# Altium PCB BTF16_2.PcbDoc (part 3 of 4) (continued)
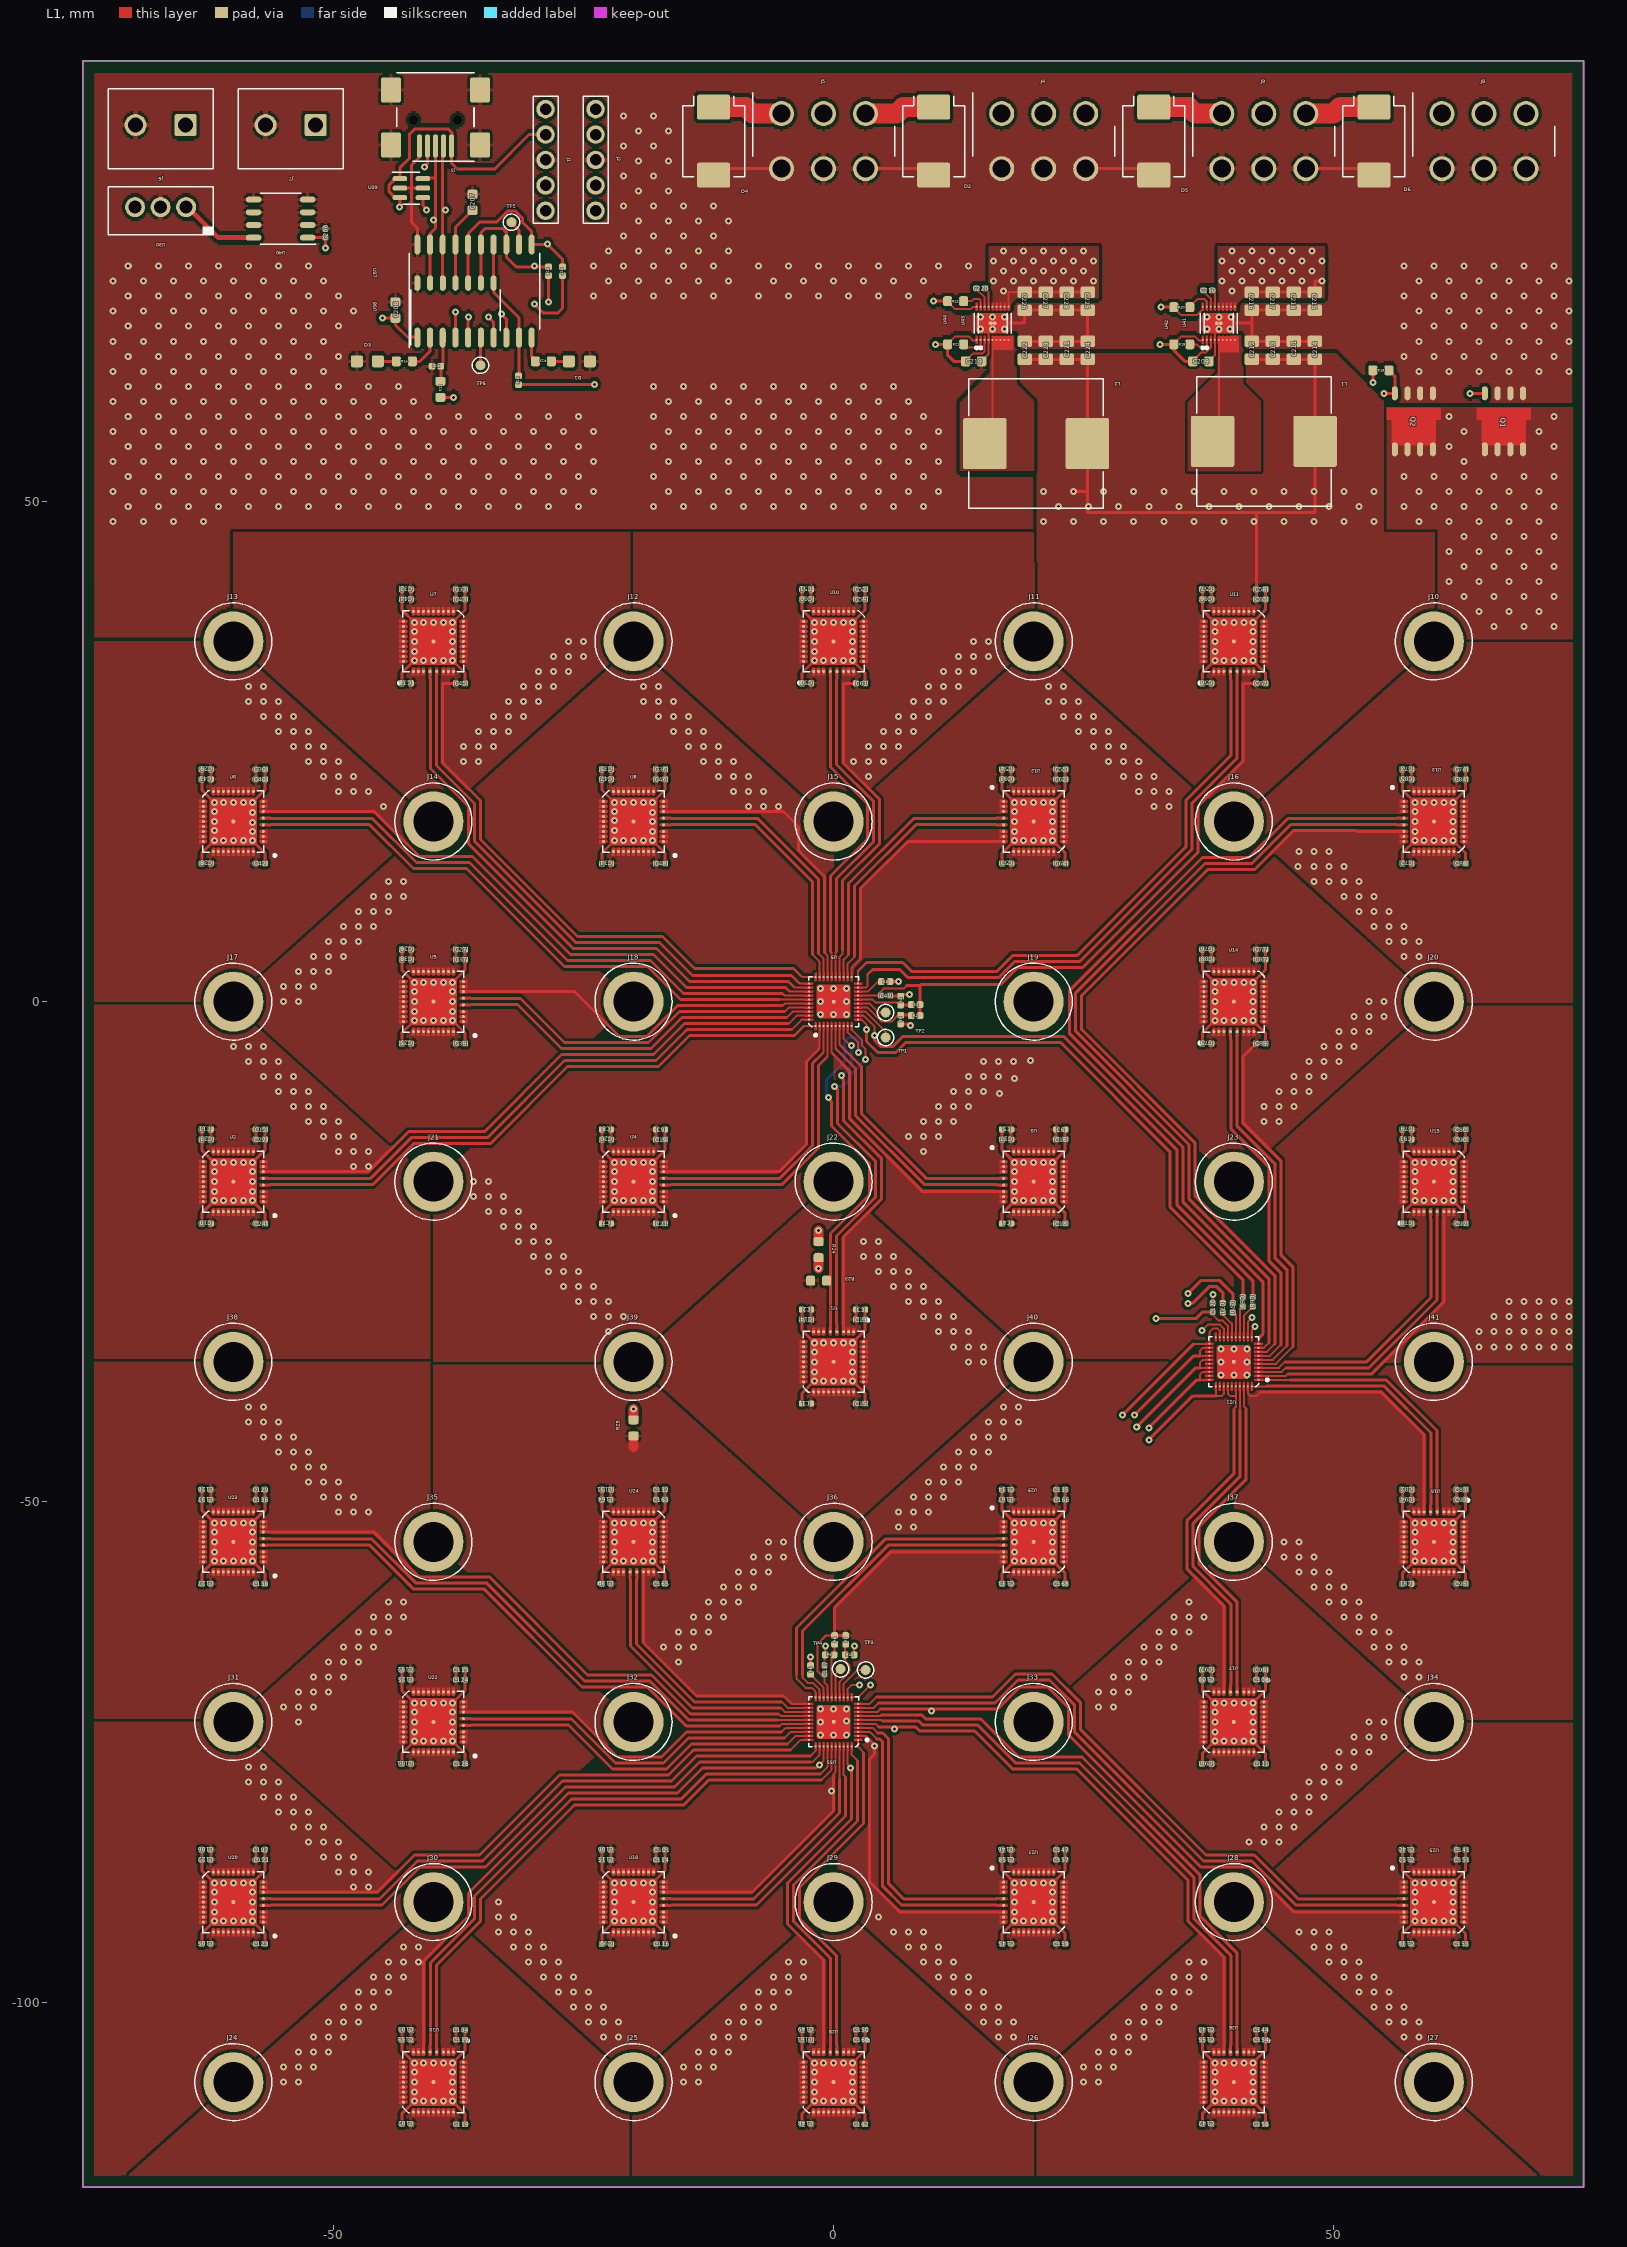
[diagram p0: L1 view]
## Nets (pads, with @x,y where several pads share a name; then routed paths per layer and width w, separated by ;. In a path a pad name is that pad's centre, name@x,y a point inside that pad or via, vN(x,y) a via of type N, cw(c..) or ccw(c..) an arc to the next point about the centre after c; other vN are vias at no path point) (continued)
  L1 w0.2: C187.2@-0.9,-66.35 -0.9,-65.36 R9.2@-0.84,-65.3 v1(-0.8,-64.4) ; U33.41@0,-72 v1(0,-70.7) ; R10.2@2.04,-65.3 2.04,-64.4 v1(2.1,-64.4) ; U21.34@39.4,-38.45 39.4,-39.2 39.6,-39.4 40.2,-39.4 ; 40,-40.7 40.2,-40.5 40.2,-39.4 ; U21.36@40.2,-38.45 40.2,-39.4 ; U25.36@60,-90 v1(60,-88.1)
  L1 w0.3: R8.2@-2.3,-66.36 v1(-2.3,-65.5) ; U17.24@39,-69 39,-60.4 35.3,-56.7 35.3,-51.9 40,-47.2 40,-40.7 ; C139.2@56.849,-94.184 56.849,-93.151 v1(58.1,-91.9) U25.36@60,-90 ; C140.2@56.849,-84.784 56.849,-86.849 v1(58.1,-88.1) U25.36@60,-90 ; C153.2@63.149,-94.184 63.149,-93.149 v1(61.9,-91.9) U25.36@60,-90 ; C141.2@63.149,-84.784 C151.2@63.149,-85.784 63.149,-86.851 v1(61.9,-88.1) U25.36@60,-90
  L1 w0.305: C109.1@37.749,-67.784 C97.1@37.749,-66.784 ; C108.1@42.249,-67.784 C98.1@42.249,-66.784
  L2 w0.3: v1(-2.3,-65.5) -1.85,-65.05 -1.45,-65.05 v1(-0.8,-64.4) v1(2.1,-64.4)
  other v1: 59,-91.9 60,-91.9 61,-91.9 58.1,-91 61.9,-91 58.1,-90 61.9,-90 58.1,-89 61.9,-89 59,-88.1 61,-88.1 41.5,-84 43,-84 44.5,-84 43,-82.5 44.5,-82.5 46,-82.5 44.5,-81 46,-81 47.5,-81 46,-79.5 47.5,-79.5 49,-79.5 47.5,-78 49,-78 50.5,-78 49,-76.5 50.5,-76.5 52,-76.5 50.5,-75 52,-75 53.5,-75 52,-73.5 53.5,-73.5 55,-73.5 -1.3,-73.3 0,-73.3 1.3,-73.3 -1.3,-72 53.5,-72 55,-72 1.3,-71.9 -1.3,-70.7 1.3,-70.7 26.5,-70.5 28,-70.5 26.5,-69 28,-69 29.5,-69 28,-67.5 29.5,-67.5 31,-67.5 29.5,-66 31,-66 32.5,-66 31,-64.5 32.5,-64.5 34,-64.5 32.5,-63 34,-63 35.5,-63 34,-61.5 35.5,-61.5 37,-61.5 35.5,-60
PWR6: C139.1 C140.1 C141.1 C142.2 C143.2 C144.2 C151.1 C152.1 C153.1 C154.2 C155.2 C156.2 U21.31 U21.33 U25.1 U25.2 U25.3 U25.4 U25.5 U25.6 U25.7 U25.8 U25.9 U25.10 U25.11 U25.12 U25.13 U25.14 U25.15 U25.16 U25.17 U25.18 U25.19 U25.20 U25.21 U25.24 U25.25 U25.26 U25.27 U25.28 U25.29 U25.30 U25.31 U25.32 U25.33 U25.34 U25.35 U26.36 U33.8 | length 147.2
  L1 w0.2: U33.8@2.45,-71 4.4,-71 4.7,-70.7 ; U21.31@38.2,-38.45 38.2,-39.4 38.8,-39.4 39,-39.2 U21.33@39,-38.45 ; U26.36@40,-108 v1(40,-106.1)
  L1 w0.3: 4.7,-70.7 v1@9.8,-70.7 ; v1(9.8,-70.9) v1@9.8,-70.7 ; v1(31.5,-43.8) 35.9,-39.4 38.2,-39.4 ; C142.2@36.849,-112.184 36.849,-111.151 v1(38.1,-109.9) U26.36@40,-108 ; C143.2@36.849,-102.784 C155.2@36.849,-103.784 36.849,-104.849 U26.36@40,-108 ; C156.2@43.149,-112.184 43.149,-111.149 U26.36@40,-108 ; C144.2@43.149,-102.784 43.149,-104.851 v1(41.9,-106.1) U26.36@40,-108 ; U25.24@57,-91 46,-91 41.5,-86.5 36.7,-86.5 23.5,-73.3 23.5,-70.6 21.4,-68.5 18.6,-68.5 16.4,-70.7 v1@9.8,-70.7
  L1 w0.305: C152.1@57.749,-85.784 C140.1@57.749,-84.784 ; C151.1@62.249,-85.784 C141.1@62.249,-84.784
  L2 w0.3: v1(9.8,-70.9) 8.5,-69.6 8.5,-59.4 24,-43.9 31.4,-43.9 v1(31.5,-43.8)
  other v1: 39,-109.9 40,-109.9 41,-109.9 41.9,-109.9 38.1,-109 41.9,-109 38.1,-108 41.9,-108 38.1,-107 41.9,-107 38.1,-106.1 39,-106.1 41,-106.1 57,-103.5 58.5,-103.5 55.5,-102 57,-102 58.5,-102 54,-100.5 55.5,-100.5 57,-100.5 52.5,-99 54,-99 55.5,-99 51,-97.5 52.5,-97.5 54,-97.5 49.5,-96 51,-96 52.5,-96 48,-94.5 49.5,-94.5 51,-94.5 46.5,-93 48,-93 49.5,-93
PWR7: C142.1 C143.1 C144.1 C145.2 C146.2 C147.2 C154.1 C155.1 C156.1 C157.2 C158.2 C159.2 U21.28 U21.30 U26.1 U26.2 U26.3 U26.4 U26.5 U26.6 U26.7 U26.8 U26.9 U26.10 U26.11 U26.12 U26.13 U26.14 U26.15 U26.16 U26.17 U26.18 U26.19 U26.20 U26.21 U26.24 U26.25 U26.26 U26.27 U26.28 U26.29 U26.30 U26.31 U26.32 U26.33 U26.34 U26.35 U27.36 U33.5 | length 140.6
  L1 w0.2: U33.5@2.45,-72.2 4.2,-72.2 4.5,-72.5 ; U27.36@20,-90 v1(20,-88.1) ; U21.30@37.55,-37.8 36.6,-37.8 36.6,-37.3 36.9,-37 U21.28@37.55,-37
  L1 w0.3: 4.5,-72.5 v1@6.1,-72.5 ; v1(6.1,-72.7) v1@6.1,-72.5 ; C145.2@16.849,-94.184 16.849,-93.151 U27.36@20,-90 ; C146.2@16.849,-84.784 C158.2@16.849,-85.784 16.849,-86.849 v1(18.1,-88.1) U27.36@20,-90 ; C159.2@23.149,-94.184 23.149,-93.149 v1(21.9,-91.9) U27.36@20,-90 ; C147.2@23.149,-84.784 C157.2@23.149,-85.784 23.149,-86.851 U27.36@20,-90 ; v1(31.5,-42.6) 36.3,-37.8 36.6,-37.8 ; U26.24@39,-105 39,-95.5 35.4,-91.9 35.4,-87.8 24.3,-76.7 17.9,-76.7 14.1,-72.9 8.6,-72.9 8.2,-72.5 v1@6.1,-72.5
  L1 w0.305: C155.1@37.749,-103.784 C143.1@37.749,-102.784 ; C154.1@42.249,-103.784 C144.1@42.249,-102.784
  L2 w0.3: v1(6.1,-72.7) 7.9,-70.9 7.9,-59.1 23.7,-43.3 30.8,-43.3 v1(31.5,-42.6)
  other v1: 25,-108 26.5,-108 25,-106.5 26.5,-106.5 28,-106.5 26.5,-105 28,-105 29.5,-105 28,-103.5 29.5,-103.5 31,-103.5 29.5,-102 31,-102 32.5,-102 31,-100.5 32.5,-100.5 34,-100.5 32.5,-99 34,-99 35.5,-99 34,-97.5 35.5,-97.5 37,-97.5 35.5,-96 37,-96 18.1,-91.9 19,-91.9 20,-91.9 21,-91.9 18.1,-91 21.9,-91 18.1,-90 21.9,-90 18.1,-89 21.9,-89 19,-88.1 21,-88.1 21.9,-88.1
PWR8: C145.1 C146.1 C147.1 C148.2 C149.2 C150.2 C157.1 C158.1 C159.1 C160.2 C161.2 C162.2 U21.25 U21.27 U27.1 U27.2 U27.3 U27.4 U27.5 U27.6 U27.7 U27.8 U27.9 U27.10 U27.11 U27.12 U27.13 U27.14 U27.15 U27.16 U27.17 U27.18 U27.19 U27.20 U27.21 U27.24 U27.25 U27.26 U27.27 U27.28 U27.29 U27.30 U27.31 U27.32 U27.33 U27.34 U27.35 U28.36 U33.2 | length 116.5
  L1 w0.2: U28.36@0,-108 v1(0,-106.1) ; U33.2@2.45,-73.4 3.2,-73.4 3.65,-73.85 ; U21.27@37.55,-36.6 36.6,-36.6 36.6,-36.1 36.9,-35.8 U21.25@37.55,-35.8
  L1 w0.3: C148.2@-3.151,-112.184 -3.151,-111.151 v1(-1.9,-109.9) U28.36@0,-108 ; C149.2@-3.151,-102.784 -3.151,-104.849 v1(-1.9,-106.1) U28.36@0,-108 ; C162.2@3.149,-112.184 3.149,-111.149 v1(1.9,-109.9) U28.36@0,-108 ; C150.2@3.149,-102.784 C160.2@3.149,-103.784 3.149,-104.851 v1(1.9,-106.1) U28.36@0,-108 ; 3.65,-73.85 4.1,-74.3 v1(4.1,-74.4) 4.1,-75.2 3.6,-75.7 3.6,-88 6.6,-91 U27.24@17,-91 ; v1(30.3,-42.5) 36.2,-36.6 36.6,-36.6
  L1 w0.305: C158.1@17.749,-85.784 C146.1@17.749,-84.784 ; C157.1@22.249,-85.784 C147.1@22.249,-84.784
  L2 w0.3: v1(4.1,-74.4) 4.15,-74.4 4.15,-73.65 7.3,-70.5 7.3,-58.8 23.4,-42.7 30.1,-42.7 v1(30.3,-42.5)
  other v1: -1,-109.9 0,-109.9 1,-109.9 -1.9,-109 1.9,-109 -1.9,-108 1.9,-108 -1.9,-107 1.9,-107 -1,-106.1 1,-106.1 16.5,-103.5 18,-103.5 15,-102 16.5,-102 18,-102 13.5,-100.5 15,-100.5 16.5,-100.5 12,-99 13.5,-99 15,-99 10.5,-97.5 12,-97.5 13.5,-97.5 9,-96 10.5,-96 12,-96 7.5,-94.5 9,-94.5 10.5,-94.5 6,-93 7.5,-93 9,-93 4.5,-91.5
PWR9: C99.2 C100.2 C101.2 C114.2 C115.2 C116.2 C148.1 C149.1 C150.1 C160.1 C161.1 C162.1 U18.36 U21.22 U21.24 U28.1 U28.2 U28.3 U28.4 U28.5 U28.6 U28.7 U28.8 U28.9 U28.10 U28.11 U28.12 U28.13 U28.14 U28.15 U28.16 U28.17 U28.18 U28.19 U28.20 U28.21 U28.24 U28.25 U28.26 U28.27 U28.28 U28.29 U28.30 U28.31 U28.32 U28.33 U28.34 U28.35 U33.39 | length 124.9
  L1 w0.2: U18.36@-20,-90 v1(-20,-88.1) ; U33.39@1.4,-74.45 1.4,-76.3 v1(1.7,-76.6) ; U21.24@37.55,-35.4 36.6,-35.4 36.6,-34.9 36.9,-34.6 U21.22@37.55,-34.6
  L1 w0.3: C99.2@-23.151,-94.184 -23.151,-93.151 v1(-21.9,-91.9) U18.36@-20,-90 ; C100.2@-23.151,-84.784 -23.151,-86.849 v1(-21.9,-88.1) U18.36@-20,-90 ; C116.2@-16.851,-94.184 -16.851,-93.149 v1(-18.1,-91.9) U18.36@-20,-90 ; C101.2@-16.851,-84.784 C114.2@-16.851,-85.784 -16.851,-86.851 v1(-18.1,-88.1) U18.36@-20,-90 ; U28.24@-1,-105 -1,-95.8 -4.6,-92.2 -4.6,-88.1 1.8,-81.7 1.8,-76.7 v1(1.7,-76.6) ; v1(30.1,-41.3) 36,-35.4 36.6,-35.4
  L1 w0.305: C161.1@-2.251,-103.784 C149.1@-2.251,-102.784 ; C160.1@2.249,-103.784 C150.1@2.249,-102.784
  L2 w0.3: v1(1.7,-76.6) 3.3,-75 3.3,-73.4 6.7,-70 6.7,-58.5 23.1,-42.1 29.3,-42.1 v1(30.1,-41.3)
  other v1: -15,-108 -13.5,-108 -15,-106.5 -13.5,-106.5 -12,-106.5 -13.5,-105 -12,-105 -10.5,-105 -12,-103.5 -10.5,-103.5 -9,-103.5 -10.5,-102 -9,-102 -7.5,-102 -9,-100.5 -7.5,-100.5 -6,-100.5 -7.5,-99 -6,-99 -4.5,-99 -6,-97.5 -4.5,-97.5 -3,-97.5 -4.5,-96 -3,-96 -21,-91.9 -20,-91.9 -19,-91.9 -21.9,-91 -18.1,-91 -21.9,-90 -18.1,-90 -21.9,-89 -18.1,-89 -21,-88.1 -19,-88.1
PWR10: C99.1 C100.1 C101.1 C102.2 C103.2 C104.2 C114.1 C115.1 C116.1 C117.2 C118.2 C119.2 U18.1 U18.2 U18.3 U18.4 U18.5 U18.6 U18.7 U18.8 U18.9 U18.10 U18.11 U18.12 U18.13 U18.14 U18.15 U18.16 U18.17 U18.18 U18.19 U18.20 U18.21 U18.24 U18.25 U18.26 U18.27 U18.28 U18.29 U18.30 U18.31 U18.32 U18.33 U18.34 U18.35 U19.36 U21.19 U21.21 U33.36 | length 122.8
  L1 w0.2: U19.36@-40,-108 v1(-40,-106.1) ; 0,-77.5 0,-77.2 0.2,-77 U33.36@0.2,-74.45 ; 36,-34.2 U21.21@37.55,-34.2 37.55,-33.05 37.9,-32.7 38.4,-32.7 38.6,-32.9 U21.19@38.6,-33.55
  L1 w0.3: C102.2@-43.151,-112.184 -43.151,-111.151 v1(-41.9,-109.9) U19.36@-40,-108 ; C103.2@-43.151,-102.784 C118.2@-43.151,-103.784 -43.151,-104.849 U19.36@-40,-108 ; C119.2@-36.851,-112.184 -36.851,-111.149 U19.36@-40,-108 ; C104.2@-36.851,-102.784 -36.851,-104.851 v1(-38.1,-106.1) U19.36@-40,-108 ; U18.24@-17,-89 -8.1,-89 0,-80.9 v1@0,-78.9 ; v1(-0.2,-78.9) v1@0,-78.9 ; 0,-77.5 v1@0,-78.9 ; v1(28.9,-41.3) 36,-34.2
  L1 w0.305: C115.1@-22.251,-85.784 C100.1@-22.251,-84.784 ; C114.1@-17.751,-85.784 C101.1@-17.751,-84.784
  L2 w0.3: v1(-0.2,-78.9) 0.9,-77.8 0.9,-76.3 2.7,-74.5 2.7,-73.1 6.1,-69.7 6.1,-58.2 23,-41.3 v1(28.9,-41.3)
  other v1: -41,-109.9 -40,-109.9 -39,-109.9 -38.1,-109.9 -41.9,-109 -38.1,-109 -41.9,-108 -38.1,-108 -41.9,-107 -38.1,-107 -41.9,-106.1 -41,-106.1 -39,-106.1 -23,-103.5 -21.5,-103.5 -24.5,-102 -23,-102 -21.5,-102 -26,-100.5 -24.5,-100.5 -23,-100.5 -27.5,-99 -26,-99 -24.5,-99 -29,-97.5 -27.5,-97.5 -26,-97.5 -30.5,-96 -29,-96 -27.5,-96 -32,-94.5 -30.5,-94.5 -29,-94.5 -33.5,-93 -32,-93 -30.5,-93 -33.5,-91.5 -32,-91.5 -33.5,-90
PWR11: C102.1 C103.1 C104.1 C105.2 C106.2 C107.2 C117.1 C118.1 C119.1 C120.1 C121.2 C122.2 C123.2 U19.1 U19.2 U19.3 U19.4 U19.5 U19.6 U19.7 U19.8 U19.9 U19.10 U19.11 U19.12 U19.13 U19.14 U19.15 U19.16 U19.17 U19.18 U19.19 U19.20 U19.21 U19.24 U19.25 U19.26 U19.27 U19.28 U19.29 U19.30 U19.31 U19.32 U19.33 U19.34 U19.35 U20.36 U21.17 U33.33 | length 157
  L1 w0.2: U20.36@-60,-90 v1(-60,-88.1) ; v1(-1.4,-76.3) -1,-75.9 U33.33@-1,-74.45 ; C120.1@37.9,-31.05 37.9,-31.3 38.5,-31.9 38.9,-31.9 39.4,-32.4 U21.17@39.4,-33.55
  L1 w0.3: C105.2@-63.151,-94.184 -63.151,-93.151 U20.36@-60,-90 ; C106.2@-63.151,-84.784 C122.2@-63.151,-85.784 -63.151,-86.849 v1(-61.9,-88.1) U20.36@-60,-90 ; C123.2@-56.851,-94.184 -56.851,-93.149 v1(-58.1,-91.9) U20.36@-60,-90 ; C107.2@-56.851,-84.784 C121.2@-56.851,-85.784 -56.851,-86.851 U20.36@-60,-90 ; U19.24@-41,-105 -41,-95.9 -36.5,-91.4 -36.5,-89.1 -26.5,-79.1 -15.6,-79.1 -13.1,-76.6 -1.7,-76.6 v1(-1.4,-76.3) ; v1(32.2,-31.7) 36.2,-31.7 36.85,-31.05 C120.1@37.9,-31.05
  L1 w0.305: C118.1@-42.251,-103.784 C103.1@-42.251,-102.784 ; C117.1@-37.751,-103.784 C104.1@-37.751,-102.784
  L2 w0.3: v1(-1.4,-76.3) 0,-76.3 2.1,-74.2 2.1,-72.8 5.5,-69.4 5.5,-57.9 31.7,-31.8 32.1,-31.8 v1(32.2,-31.7)
  other v1: -55,-108 -53.5,-108 -55,-106.5 -53.5,-106.5 -52,-106.5 -53.5,-105 -52,-105 -50.5,-105 -52,-103.5 -50.5,-103.5 -49,-103.5 -50.5,-102 -49,-102 -47.5,-102 -49,-100.5 -47.5,-100.5 -46,-100.5 -47.5,-99 -46,-99 -44.5,-99 -46,-97.5 -44.5,-97.5 -43,-97.5 -44.5,-96 -43,-96 -41.5,-96 -43,-94.5 -41.5,-94.5 -61.9,-91.9 -61,-91.9 -60,-91.9 -59,-91.9 -61.9,-91 -58.1,-91 -61.9,-90 -58.1,-90 -61.9,-89 -58.1,-89 -61,-88.1 -59,-88.1 -58.1,-88.1
PWR12: C105.1 C106.1 C107.1 C111.2 C112.2 C113.2 C121.1 C122.1 C123.1 C124.2 C125.2 C126.2 U20.1 U20.2 U20.3 U20.4 U20.5 U20.6 U20.7 U20.8 U20.9 U20.10 U20.11 U20.12 U20.13 U20.14 U20.15 U20.16 U20.17 U20.18 U20.19 U20.20 U20.21 U20.24 U20.25 U20.26 U20.27 U20.28 U20.29 U20.30 U20.31 U20.32 U20.33 U20.34 U20.35 U22.36 U33.30 | length 88.8
  L1 w0.2: U22.36@-40,-72 v1(-40,-70.1) ; -4.3,-74.8 -3.3,-73.8 U33.30@-2.45,-73.8
  L1 w0.3: U20.24@-57,-89 -45.6,-89 -41.9,-85.3 -35.4,-85.3 -27.4,-77.3 -16.5,-77.3 -14,-74.8 -4.3,-74.8 ; C111.2@-43.151,-76.184 -43.151,-75.151 v1(-41.9,-73.9) U22.36@-40,-72 ; C112.2@-43.151,-66.784 C125.2@-43.151,-67.784 -43.151,-68.849 U22.36@-40,-72 ; C126.2@-36.851,-76.184 -36.851,-75.149 U22.36@-40,-72 ; C113.2@-36.851,-66.784 -36.851,-68.851 v1(-38.1,-70.1) U22.36@-40,-72
  L1 w0.305: C122.1@-62.251,-85.784 C106.1@-62.251,-84.784 ; C121.1@-57.751,-85.784 C107.1@-57.751,-84.784
  other v1: -48,-88.5 -46.5,-88.5 -49.5,-87 -48,-87 -46.5,-87 -51,-85.5 -49.5,-85.5 -48,-85.5 -52.5,-84 -51,-84 -49.5,-84 -54,-82.5 -52.5,-82.5 -51,-82.5 -55.5,-81 -54,-81 -52.5,-81 -57,-79.5 -55.5,-79.5 -54,-79.5 -58.5,-78 -57,-78 -55.5,-78 -58.5,-76.5 -57,-76.5 -41,-73.9 -40,-73.9 -39,-73.9 -38.1,-73.9 -41.9,-73 -38.1,-73 -41.9,-72 -38.1,-72 -41.9,-71 -38.1,-71 -41.9,-70.1 -41,-70.1 -39,-70.1
PWR13: C111.1 C112.1 C113.1 C124.1 C125.1 C126.1 C127.2 C128.2 C129.2 C136.2 C137.2 C138.2 U22.1 U22.2 U22.3 U22.4 U22.5 U22.6 U22.7 U22.8 U22.9 U22.10 U22.11 U22.12 U22.13 U22.14 U22.15 U22.16 U22.17 U22.18 U22.19 U22.20 U22.21 U22.24 U22.25 U22.26 U22.27 U22.28 U22.29 U22.30 U22.31 U22.32 U22.33 U22.34 U22.35 U23.36 U33.27 | length 65.5
  L1 w0.2: U23.36@-60,-54 v1(-60,-52.1) ; -5.2,-73 -4.8,-72.6 U33.27@-2.45,-72.6
  L1 w0.3: C127.2@-63.151,-58.184 -63.151,-57.151 v1(-61.9,-55.9) U23.36@-60,-54 ; C128.2@-63.151,-48.784 C137.2@-63.151,-49.784 -63.151,-50.849 U23.36@-60,-54 ; C138.2@-56.851,-58.184 -56.851,-57.149 U23.36@-60,-54 ; C129.2@-56.851,-48.784 C136.2@-56.851,-49.784 -56.851,-50.851 v1(-58.1,-52.1) U23.36@-60,-54 ; U22.24@-37,-71 -26.1,-71 -21.6,-75.5 -17.2,-75.5 -14.7,-73 -5.2,-73
  L1 w0.305: C125.1@-42.251,-67.784 C112.1@-42.251,-66.784 ; C124.1@-37.751,-67.784 C113.1@-37.751,-66.784
  other v1: -53.5,-72 -55,-70.5 -53.5,-70.5 -52,-70.5 -53.5,-69 -52,-69 -50.5,-69 -52,-67.5 -50.5,-67.5 -49,-67.5 -50.5,-66 -49,-66 -47.5,-66 -49,-64.5 -47.5,-64.5 -46,-64.5 -47.5,-63 -46,-63 -44.5,-63 -46,-61.5 -44.5,-61.5 -43,-61.5 -44.5,-60 -43,-60 -61,-55.9 -60,-55.9 -59,-55.9 -58.1,-55.9 -61.9,-55 -58.1,-55 -61.9,-54 -58.1,-54 -61.9,-53 -58.1,-53 -61.9,-52.1 -61,-52.1 -59,-52.1
PWR14: C127.1 C128.1 C129.1 C130.2 C131.2 C132.2 C136.1 C137.1 C138.1 C163.2 C164.2 C165.2 U23.1 U23.2 U23.3 U23.4 U23.5 U23.6 U23.7 U23.8 U23.9 U23.10 U23.11 U23.12 U23.13 U23.14 U23.15 U23.16 U23.17 U23.18 U23.19 U23.20 U23.21 U23.24 U23.25 U23.26 U23.27 U23.28 U23.29 U23.30 U23.31 U23.32 U23.33 U23.34 U23.35 U24.36 U33.24 | length 90.1
  L1 w0.2: U24.36@-20,-54 v1(-20,-52.1) ; -5.5,-71.2 -5.3,-71.4 U33.24@-2.45,-71.4
  L1 w0.3: U23.24@-57,-53 -45.953,-53 -41.453,-57.5 -34.4,-57.5 -24.6,-67.3 -18.2,-67.3 -14.3,-71.2 -5.5,-71.2 ; C130.2@-23.151,-58.184 -23.151,-57.151 v1(-21.9,-55.9) U24.36@-20,-54 ; C131.2@-23.151,-48.784 -23.151,-50.849 v1(-21.9,-52.1) U24.36@-20,-54 ; C165.2@-16.851,-58.184 -16.851,-57.149 v1(-18.1,-55.9) U24.36@-20,-54 ; C132.2@-16.851,-48.784 C163.2@-16.851,-49.784 -16.851,-50.851 v1(-18.1,-52.1) U24.36@-20,-54
  L1 w0.305: C137.1@-62.251,-49.784 C128.1@-62.251,-48.784 ; C136.1@-57.751,-49.784 C129.1@-57.751,-48.784
  other v1: -21,-55.9 -20,-55.9 -19,-55.9 -21.9,-55 -18.1,-55 -21.9,-54 -18.1,-54 -21.9,-53 -18.1,-53 -21,-52.1 -19,-52.1 -49.5,-51 -48,-51 -46.5,-51 -51,-49.5 -49.5,-49.5 -48,-49.5 -52.5,-48 -51,-48 -49.5,-48 -54,-46.5 -52.5,-46.5 -51,-46.5 -55.5,-45 -54,-45 -52.5,-45 -57,-43.5 -55.5,-43.5 -54,-43.5 -58.5,-42 -57,-42 -55.5,-42 -58.5,-40.5 -57,-40.5
PWR15: C130.1 C131.1 C132.1 C133.2 C134.2 C135.2 C163.1 C164.1 C165.1 C166.2 C167.2 C168.2 R25.1 U24.1 U24.2 U24.3 U24.4 U24.5 U24.6 U24.7 U24.8 U24.9 U24.10 U24.11 U24.12 U24.13 U24.14 U24.15 U24.16 U24.17 U24.18 U24.19 U24.20 U24.21 U24.24 U24.25 U24.26 U24.27 U24.28 U24.29 U24.30 U24.31 U24.32 U24.33 U24.34 U24.35 U29.36 U33.21 | length 55.2
  L1 w0.2: -5,-69.4 -4.2,-70.2 U33.21@-2.45,-70.2 ; U29.36@20,-54 v1(20,-52.1)
  L1 w0.3: U24.24@-19,-57 -19,-64.1 -13.7,-69.4 -5,-69.4 ; C133.2@16.849,-58.184 16.849,-57.151 v1(18.1,-55.9) U29.36@20,-54 ; C134.2@16.849,-48.784 C167.2@16.849,-49.784 16.849,-50.849 U29.36@20,-54 ; C168.2@23.149,-58.184 23.149,-57.149 U29.36@20,-54 ; C135.2@23.149,-48.784 C166.2@23.149,-49.784 23.149,-50.851 v1(21.9,-52.1) U29.36@20,-54
  L1 w0.305: C164.1@-22.251,-49.784 C131.1@-22.251,-48.784 ; C163.1@-17.751,-49.784 C132.1@-17.751,-48.784
  L1 w1: -20,-44.5 R25.1@-20,-43.4
  other v1: -15.5,-66 -17,-64.5 -15.5,-64.5 -14,-64.5 -15.5,-63 -14,-63 -12.5,-63 -14,-61.5 -12.5,-61.5 -11,-61.5 -12.5,-60 -11,-60 -9.5,-60 -11,-58.5 -9.5,-58.5 -8,-58.5 -9.5,-57 -8,-57 -6.5,-57 19,-55.9 20,-55.9 21,-55.9 21.9,-55.9 -8,-55.5 -6.5,-55.5 -5,-55.5 18.1,-55 21.9,-55 -6.5,-54 -5,-54 18.1,-54 21.9,-54 18.1,-53 21.9,-53 18.1,-52.1 19,-52.1 21,-52.1
PWR16: C1.2 C2.2 C3.2 C13.2 C14.2 C15.2 C133.1 C134.1 C135.1 C166.1 C167.1 C168.1 C187.1 R6.2 R7.2 R24.2 U1.36 U29.1 U29.2 U29.3 U29.4 U29.5 U29.6 U29.7 U29.8 U29.9 U29.10 U29.11 U29.12 U29.13 U29.14 U29.15 U29.16 U29.17 U29.18 U29.19 U29.20 U29.21 U29.24 U29.25 U29.26 U29.27 U29.28 U29.29 U29.30 U29.31 U29.32 U29.33 U29.34 U29.35 U33.17 | length 60.1
  L1 w0.2: U33.17@-0.6,-69.55 -0.6,-68.4 -0.9,-68.1 C187.1@-0.9,-67.25 -1.3,-67.25 -1.6,-66.95 -1.6,-64.2 -0.76,-63.36 R6.2@0.1,-63.36 ; U1.36@0,-36 v1(0,-34.1)
  L1 w0.3: C1.2@-3.151,-40.184 -3.151,-39.151 v1(-1.9,-37.9) U1.36@0,-36 ; C2.2@-3.151,-30.784 -3.151,-32.849 U1.36@0,-36 ; R7.2@1.2,-63.36 R6.2@0.1,-63.36 0.1,-60.6 5.7,-55 U29.24@17,-55 ; C15.2@3.149,-40.184 3.149,-39.149 U1.36@0,-36 ; C3.2@3.149,-30.784 C13.2@3.149,-31.784 3.149,-32.851 v1(1.9,-34.1) U1.36@0,-36
  L1 w0.305: C167.1@17.749,-49.784 C134.1@17.749,-48.784 ; C166.1@22.249,-49.784 C135.1@22.249,-48.784
  L1 w1: v1(-1.5,-26.7) R24.2@-1.5,-25.6
  other v1: 6.5,-52.5 8,-52.5 6.5,-51 8,-51 9.5,-51 8,-49.5 9.5,-49.5 11,-49.5 9.5,-48 11,-48 12.5,-48 11,-46.5 12.5,-46.5 14,-46.5 12.5,-45 14,-45 15.5,-45 14,-43.5 15.5,-43.5 17,-43.5 15.5,-42 17,-42 18.5,-42 17,-40.5 18.5,-40.5 -1,-37.9 0,-37.9 1,-37.9 1.9,-37.9 -1.9,-37 1.9,-37 -1.9,-36 1.9,-36 -1.9,-35 1.9,-35 -1.9,-34.1 -1,-34.1 1,-34.1
PWR17: C1.1 C2.1 C3.1 C4.2 C5.2 C6.2 C13.1 C14.1 C15.1 C16.2 C17.2 C18.2 R23.2 U1.1 U1.2 U1.3 U1.4 U1.5 U1.6 U1.7 U1.8 U1.9 U1.10 U1.11 U1.12 U1.13 U1.14 U1.15 U1.16 U1.17 U1.18 U1.19 U1.20 U1.21 U1.24 U1.25 U1.26 U1.27 U1.28 U1.29 U1.30 U1.31 U1.32 U1.33 U1.34 U1.35 U3.36 U9.8 | length 62.5
  L1 w0.2: U9.8@1,-2.45 1,-3.7 1.7,-4.4 v1(1.8,-4.4) ; U3.36@20,-18 v1(20,-16.1)
  L1 w0.3: C14.1@-2.251,-31.784 C2.1@-2.251,-30.784 ; v1(0.8,-7.4) 0.8,-7.6 1,-7.8 1,-11.9 4.8,-15.7 4.8,-19.7 1,-23.5 U1.21@1,-33 ; C13.1@2.249,-31.784 C3.1@2.249,-30.784 ; C4.2@16.849,-22.184 16.849,-21.151 v1(18.1,-19.9) U3.36@20,-18 ; C5.2@16.849,-12.784 C17.2@16.849,-13.784 16.849,-14.849 v1(18.1,-16.1) U3.36@20,-18 ; C18.2@23.149,-22.184 23.149,-21.149 v1(21.9,-19.9) U3.36@20,-18 ; C6.2@23.149,-12.784 C16.2@23.149,-13.784 23.149,-14.851 v1(21.9,-16.1) U3.36@20,-18
  L4 w0.3: v1(0.8,-7.4) 1.8,-6.4 v1(1.8,-4.4)
  other v1: 13.5,-36 15,-36 12,-34.5 13.5,-34.5 15,-34.5 10.5,-33 12,-33 13.5,-33 9,-31.5 10.5,-31.5 12,-31.5 7.5,-30 9,-30 10.5,-30 6,-28.5 7.5,-28.5 9,-28.5 4.5,-27 6,-27 7.5,-27 3,-25.5 4.5,-25.5 6,-25.5 3,-24 4.5,-24 19,-19.9 20,-19.9 21,-19.9 18.1,-19 21.9,-19 18.1,-18 21.9,-18 18.1,-17 21.9,-17 19,-16.1 21,-16.1
PWR18: C4.1 C5.1 C6.1 C7.2 C8.2 C9.2 C16.1 C17.1 C18.1 C19.2 C20.2 C21.2 U3.1 U3.2 U3.3 U3.4 U3.5 U3.6 U3.7 U3.8 U3.9 U3.10 U3.11 U3.12 U3.13 U3.14 U3.15 U3.16 U3.17 U3.18 U3.19 U3.20 U3.21 U3.24 U3.25 U3.26 U3.27 U3.28 U3.29 U3.30 U3.31 U3.32 U3.33 U3.34 U3.35 U4.36 U9.5 | length 56.3
  L1 w0.2: U4.36@-20,-18 v1(-20,-16.1) ; U9.5@-0.2,-2.45 -0.2,-5.1 -0.1,-5.2
  L1 w0.3: C7.2@-23.151,-22.184 -23.151,-21.151 v1(-21.9,-19.9) U4.36@-20,-18 ; C8.2@-23.151,-12.784 -23.151,-14.849 v1(-21.9,-16.1) U4.36@-20,-18 ; C21.2@-16.851,-22.184 -16.851,-21.149 v1(-18.1,-19.9) U4.36@-20,-18 ; C9.2@-16.851,-12.784 C19.2@-16.851,-13.784 -16.851,-14.851 v1(-18.1,-16.1) U4.36@-20,-18 ; -0.1,-5.2 1.6,-6.9 1.6,-11.7 8.9,-19 U3.24@17,-19
  L1 w0.305: C17.1@17.749,-13.784 C5.1@17.749,-12.784 ; C16.1@22.249,-13.784 C6.1@22.249,-12.784
  other v1: -21,-19.9 -20,-19.9 -19,-19.9 -21.9,-19 -18.1,-19 -21.9,-18 -18.1,-18 -21.9,-17 -18.1,-17 -21,-16.1 -19,-16.1 9,-15 7.5,-13.5 9,-13.5 10.5,-13.5 9,-12 10.5,-12 12,-12 10.5,-10.5 12,-10.5 13.5,-10.5 16.6,-9.2 12,-9 13.5,-9 15,-9 18.1,-7.7 13.5,-7.5 15,-7.5 16.5,-7.5 15,-6 16.5,-6 18,-6 19.7,-5.9
PWR19: C7.1 C8.1 C9.1 C10.2 C11.2 C12.2 C19.1 C20.1 C21.1 C22.2 C23.2 C24.2 U2.36 U4.1 U4.2 U4.3 U4.4 U4.5 U4.6 U4.7 U4.8 U4.9 U4.10 U4.11 U4.12 U4.13 U4.14 U4.15 U4.16 U4.17 U4.18 U4.19 U4.20 U4.21 U4.24 U4.25 U4.26 U4.27 U4.28 U4.29 U4.30 U4.31 U4.32 U4.33 U4.34 U4.35 U9.2 | length 55.7
  L1 w0.2: U2.36@-60,-18 v1(-60,-16.1) ; -1.507,-4.793 -1.4,-4.685 U9.2@-1.4,-2.45
  L1 w0.3: C10.2@-63.151,-22.184 -63.151,-21.151 v1(-61.9,-19.9) U2.36@-60,-18 ; C11.2@-63.151,-12.784 C23.2@-63.151,-13.784 -63.151,-14.849 v1(-61.9,-16.1) U2.36@-60,-18 ; C24.2@-56.851,-22.184 -56.851,-21.149 v1(-58.1,-19.9) U2.36@-60,-18 ; C12.2@-56.851,-12.784 C22.2@-56.851,-13.784 -56.851,-14.851 v1(-58.1,-16.1) U2.36@-60,-18 ; U4.24@-17,-17 -5.431,-17 -2.7,-14.269 -2.7,-5.985 -1.507,-4.793
  L1 w0.305: C20.1@-22.251,-13.784 C8.1@-22.251,-12.784 ; C19.1@-17.751,-13.784 C9.1@-17.751,-12.784
  other v1: -22.5,-33 -24,-31.5 -22.5,-31.5 -21,-31.5 -25.5,-30 -24,-30 -22.5,-30 -27,-28.5 -25.5,-28.5 -24,-28.5 -28.5,-27 -27,-27 -25.5,-27 -30,-25.5 -28.5,-25.5 -27,-25.5 -31.5,-24 -30,-24 -28.5,-24 -33,-22.5 -31.5,-22.5 -30,-22.5 -34.5,-21 -33,-21 -31.5,-21 -61,-19.9 -60,-19.9 -59,-19.9 -36,-19.5 -34.5,-19.5 -33,-19.5 -61.9,-19 -58.1,-19 -61.9,-18 -58.1,-18 -36,-18 -34.5,-18 -61.9,-17 -58.1,-17 -61,-16.1 -59,-16.1
PWR20: C10.1 C11.1 C12.1 C22.1 C23.1 C24.1 C25.2 C26.2 C27.2 C37.2 C38.2 C39.2 U2.1 U2.2 U2.3 U2.4 U2.5 U2.6 U2.7 U2.8 U2.9 U2.10 U2.11 U2.12 U2.13 U2.14 U2.15 U2.16 U2.17 U2.18 U2.19 U2.20 U2.21 U2.24 U2.25 U2.26 U2.27 U2.28 U2.29 U2.30 U2.31 U2.32 U2.33 U2.34 U2.35 U5.36 U9.39 | length 88.9
  L1 w0.2: U5.36@-40,0 v1(-40,1.9) ; -4.5,-2.2 -3.7,-1.4 U9.39@-2.45,-1.4
  L1 w0.3: U2.24@-57,-17 -46.5,-17 -42.5,-13 -34.9,-13 -27.2,-5.3 -18,-5.3 -14.9,-2.2 -4.5,-2.2 ; C25.2@-43.151,-4.184 -43.151,-3.151 v1(-41.9,-1.9) U5.36@-40,0 ; C26.2@-43.151,5.216 C38.2@-43.151,4.216 -43.151,3.151 U5.36@-40,0 ; C39.2@-36.851,-4.184 -36.851,-3.149 U5.36@-40,0 ; C27.2@-36.851,5.216 -36.851,3.149 v1(-38.1,1.9) U5.36@-40,0
  L1 w0.305: C23.1@-62.251,-13.784 C11.1@-62.251,-12.784 ; C22.1@-57.751,-13.784 C12.1@-57.751,-12.784
  other v1: -48,-16.5 -46.5,-16.5 -49.5,-15 -48,-15 -46.5,-15 -51,-13.5 -49.5,-13.5 -48,-13.5 -52.5,-12 -51,-12 -49.5,-12 -54,-10.5 -52.5,-10.5 -51,-10.5 -55.5,-9 -54,-9 -52.5,-9 -57,-7.5 -55.5,-7.5 -54,-7.5 -58.5,-6 -57,-6 -55.5,-6 -60,-4.5 -58.5,-4.5 -57,-4.5 -41,-1.9 -40,-1.9 -39,-1.9 -38.1,-1.9 -41.9,-1 -38.1,-1 -41.9,0 -38.1,0 -41.9,1 -38.1,1 -41.9,1.9 -41,1.9 -39,1.9
PWR21: C25.1 C26.1 C27.1 C28.2 C29.2 C30.2 C37.1 C38.1 C39.1 C40.2 C41.2 C42.2 U5.1 U5.2 U5.3 U5.4 U5.5 U5.6 U5.7 U5.8 U5.9 U5.10 U5.11 U5.12 U5.13 U5.14 U5.15 U5.16 U5.17 U5.18 U5.19 U5.20 U5.21 U5.24 U5.25 U5.26 U5.27 U5.28 U5.29 U5.30 U5.31 U5.32 U5.33 U5.34 U5.35 U6.36 U9.36 | length 65.7
  L1 w0.2: -5.1,-0.4 -4.9,-0.2 U9.36@-2.45,-0.2
  L1 w0.3: C28.2@-63.151,13.816 -63.151,14.849 U6.36@-60,18 ; C29.2@-63.151,23.216 C41.2@-63.151,22.216 -63.151,21.151 v1(-61.9,19.9) U6.36@-60,18 ; v1(-60,19.9) U6.36@-60,18 ; C42.2@-56.851,13.816 -56.851,14.851 v1(-58.1,16.1) U6.36@-60,18 ; C30.2@-56.851,23.216 C40.2@-56.851,22.216 -56.851,21.149 U6.36@-60,18 ; U5.24@-37,1 -25.9,1 -21.4,-3.5 -18.684,-3.5 -15.584,-0.4 -5.1,-0.4
  L1 w0.305: C38.1@-42.251,4.216 C26.1@-42.251,5.216 ; C37.1@-37.751,4.216 C27.1@-37.751,5.216
  other v1: -55,0 -53.5,0 -55,1.5 -53.5,1.5 -52,1.5 -53.5,3 -52,3 -50.5,3 -52,4.5 -50.5,4.5 -49,4.5 -50.5,6 -49,6 -47.5,6 -49,7.5 -47.5,7.5 -46,7.5 -47.5,9 -46,9 -44.5,9 -46,10.5 -44.5,10.5 -43,10.5 -44.5,12 -43,12 -61.9,16.1 -61,16.1 -60,16.1 -59,16.1 -58.1,17 -61.9,17.1 -58.1,17.9 -61.9,18 -58.1,18.9 -61.9,19 -61,19.9 -59,19.9 -58.1,19.9